# Allegro board LED_FIN.brd (continued)
## Placement (name value [footprint] x y rotation side) (continued)
D4585  0603_LED  [0603_SINGLE]  85.25 316 0 top
D4586  0603_LED  [0603_SINGLE]  87.25 316 0 top
D4587  0603_LED  [0603_SINGLE]  89.25 316 0 top
D4588  0603_LED  [0603_SINGLE]  91.25 316 0 top
D4589  0603_LED  [0603_SINGLE]  93.25 316 0 top
D4590  0603_LED  [0603_SINGLE]  95.25 316 0 top
D4591  0603_LED  [0603_SINGLE]  37.25 314 0 top
D4592  0603_LED  [0603_SINGLE]  39.25 314 0 top
D4593  0603_LED  [0603_SINGLE]  41.25 314 0 top
D4594  0603_LED  [0603_SINGLE]  43.25 314 0 top
D4595  0603_LED  [0603_SINGLE]  45.25 314 0 top
D4596  0603_LED  [0603_SINGLE]  47.25 314 0 top
D4597  0603_LED  [0603_SINGLE]  49.25 314 0 top
D4598  0603_LED  [0603_SINGLE]  51.25 314 0 top
D4599  0603_LED  [0603_SINGLE]  53.25 314 0 top
D4600  0603_LED  [0603_SINGLE]  55.25 314 0 top
D4601  0603_LED  [0603_SINGLE]  57.25 314 0 top
D4602  0603_LED  [0603_SINGLE]  59.25 314 0 top
D4603  0603_LED  [0603_SINGLE]  61.25 314 0 top
D4604  0603_LED  [0603_SINGLE]  63.25 314 0 top
D4605  0603_LED  [0603_SINGLE]  65.25 314 0 top
D4606  0603_LED  [0603_SINGLE]  67.25 314 0 top
D4607  0603_LED  [0603_SINGLE]  69.25 314 0 top
D4608  0603_LED  [0603_SINGLE]  71.25 314 0 top
D4609  0603_LED  [0603_SINGLE]  73.25 314 0 top
D4610  0603_LED  [0603_SINGLE]  75.25 314 0 top
D4611  0603_LED  [0603_SINGLE]  77.25 314 0 top
D4612  0603_LED  [0603_SINGLE]  79.25 314 0 top
D4613  0603_LED  [0603_SINGLE]  81.25 314 0 top
D4614  0603_LED  [0603_SINGLE]  83.25 314 0 top
D4615  0603_LED  [0603_SINGLE]  85.25 314 0 top
D4616  0603_LED  [0603_SINGLE]  87.25 314 0 top
D4617  0603_LED  [0603_SINGLE]  89.25 314 0 top
D4618  0603_LED  [0603_SINGLE]  91.25 314 0 top
D4619  0603_LED  [0603_SINGLE]  93.25 314 0 top
D4620  0603_LED  [0603_SINGLE]  95.25 314 0 top
D4621  0603_LED  [0603_SINGLE]  37.25 312 0 top
D4622  0603_LED  [0603_SINGLE]  39.25 312 0 top
D4623  0603_LED  [0603_SINGLE]  41.25 312 0 top
D4624  0603_LED  [0603_SINGLE]  43.25 312 0 top
D4625  0603_LED  [0603_SINGLE]  45.25 312 0 top
D4626  0603_LED  [0603_SINGLE]  47.25 312 0 top
D4627  0603_LED  [0603_SINGLE]  49.25 312 0 top
D4628  0603_LED  [0603_SINGLE]  51.25 312 0 top
D4629  0603_LED  [0603_SINGLE]  53.25 312 0 top
D4630  0603_LED  [0603_SINGLE]  55.25 312 0 top
D4631  0603_LED  [0603_SINGLE]  57.25 312 0 top
D4632  0603_LED  [0603_SINGLE]  59.25 312 0 top
D4633  0603_LED  [0603_SINGLE]  61.25 312 0 top
D4634  0603_LED  [0603_SINGLE]  63.25 312 0 top
D4635  0603_LED  [0603_SINGLE]  65.25 312 0 top
D4636  0603_LED  [0603_SINGLE]  67.25 312 0 top
D4637  0603_LED  [0603_SINGLE]  69.25 312 0 top
D4638  0603_LED  [0603_SINGLE]  71.25 312 0 top
D4639  0603_LED  [0603_SINGLE]  73.25 312 0 top
D4640  0603_LED  [0603_SINGLE]  75.25 312 0 top
D4641  0603_LED  [0603_SINGLE]  77.25 312 0 top
D4642  0603_LED  [0603_SINGLE]  79.25 312 0 top
D4643  0603_LED  [0603_SINGLE]  81.25 312 0 top
D4644  0603_LED  [0603_SINGLE]  83.25 312 0 top
D4645  0603_LED  [0603_SINGLE]  85.25 312 0 top
D4646  0603_LED  [0603_SINGLE]  87.25 312 0 top
D4647  0603_LED  [0603_SINGLE]  89.25 312 0 top
D4648  0603_LED  [0603_SINGLE]  91.25 312 0 top
D4649  0603_LED  [0603_SINGLE]  93.25 312 0 top
D4650  0603_LED  [0603_SINGLE]  95.25 312 0 top
D4651  0603_LED  [0603_SINGLE]  37.25 310 0 top
D4652  0603_LED  [0603_SINGLE]  39.25 310 0 top
D4653  0603_LED  [0603_SINGLE]  41.25 310 0 top
D4654  0603_LED  [0603_SINGLE]  43.25 310 0 top
D4655  0603_LED  [0603_SINGLE]  45.25 310 0 top
D4656  0603_LED  [0603_SINGLE]  47.25 310 0 top
D4657  0603_LED  [0603_SINGLE]  49.25 310 0 top
D4658  0603_LED  [0603_SINGLE]  51.25 310 0 top
D4659  0603_LED  [0603_SINGLE]  53.25 310 0 top
D4660  0603_LED  [0603_SINGLE]  55.25 310 0 top
D4661  0603_LED  [0603_SINGLE]  57.25 310 0 top
D4662  0603_LED  [0603_SINGLE]  59.25 310 0 top
D4663  0603_LED  [0603_SINGLE]  61.25 310 0 top
D4664  0603_LED  [0603_SINGLE]  63.25 310 0 top
D4665  0603_LED  [0603_SINGLE]  65.25 310 0 top
D4666  0603_LED  [0603_SINGLE]  67.25 310 0 top
D4667  0603_LED  [0603_SINGLE]  69.25 310 0 top
D4668  0603_LED  [0603_SINGLE]  71.25 310 0 top
D4669  0603_LED  [0603_SINGLE]  73.25 310 0 top
D4670  0603_LED  [0603_SINGLE]  75.25 310 0 top
D4671  0603_LED  [0603_SINGLE]  77.25 310 0 top
D4672  0603_LED  [0603_SINGLE]  79.25 310 0 top
D4673  0603_LED  [0603_SINGLE]  81.25 310 0 top
D4674  0603_LED  [0603_SINGLE]  83.25 310 0 top
D4675  0603_LED  [0603_SINGLE]  85.25 310 0 top
D4676  0603_LED  [0603_SINGLE]  87.25 310 0 top
D4677  0603_LED  [0603_SINGLE]  89.25 310 0 top
D4678  0603_LED  [0603_SINGLE]  91.25 310 0 top
D4679  0603_LED  [0603_SINGLE]  93.25 310 0 top
D4680  0603_LED  [0603_SINGLE]  95.25 310 0 top
D4681  0603_LED  [0603_SINGLE]  37.25 308 0 top
D4682  0603_LED  [0603_SINGLE]  39.25 308 0 top
D4683  0603_LED  [0603_SINGLE]  41.25 308 0 top
D4684  0603_LED  [0603_SINGLE]  43.25 308 0 top
D4685  0603_LED  [0603_SINGLE]  45.25 308 0 top
D4686  0603_LED  [0603_SINGLE]  47.25 308 0 top
D4687  0603_LED  [0603_SINGLE]  49.25 308 0 top
D4688  0603_LED  [0603_SINGLE]  51.25 308 0 top
D4689  0603_LED  [0603_SINGLE]  53.25 308 0 top
D4690  0603_LED  [0603_SINGLE]  55.25 308 0 top
D4691  0603_LED  [0603_SINGLE]  57.25 308 0 top
D4692  0603_LED  [0603_SINGLE]  59.25 308 0 top
D4693  0603_LED  [0603_SINGLE]  61.25 308 0 top
D4694  0603_LED  [0603_SINGLE]  63.25 308 0 top
D4695  0603_LED  [0603_SINGLE]  65.25 308 0 top
D4696  0603_LED  [0603_SINGLE]  67.25 308 0 top
D4697  0603_LED  [0603_SINGLE]  69.25 308 0 top
D4698  0603_LED  [0603_SINGLE]  71.25 308 0 top
D4699  0603_LED  [0603_SINGLE]  73.25 308 0 top
D4700  0603_LED  [0603_SINGLE]  75.25 308 0 top
D4701  0603_LED  [0603_SINGLE]  77.25 308 0 top
D4702  0603_LED  [0603_SINGLE]  79.25 308 0 top
D4703  0603_LED  [0603_SINGLE]  81.25 308 0 top
D4704  0603_LED  [0603_SINGLE]  83.25 308 0 top
D4705  0603_LED  [0603_SINGLE]  85.25 308 0 top
D4706  0603_LED  [0603_SINGLE]  87.25 308 0 top
D4707  0603_LED  [0603_SINGLE]  89.25 308 0 top
D4708  0603_LED  [0603_SINGLE]  91.25 308 0 top
D4709  0603_LED  [0603_SINGLE]  93.25 308 0 top
D4710  0603_LED  [0603_SINGLE]  95.25 308 0 top
D4711  0603_LED  [0603_SINGLE]  37.25 306 0 top
D4712  0603_LED  [0603_SINGLE]  39.25 306 0 top
D4713  0603_LED  [0603_SINGLE]  41.25 306 0 top
D4714  0603_LED  [0603_SINGLE]  43.25 306 0 top
D4715  0603_LED  [0603_SINGLE]  45.25 306 0 top
D4716  0603_LED  [0603_SINGLE]  47.25 306 0 top
D4717  0603_LED  [0603_SINGLE]  49.25 306 0 top
D4718  0603_LED  [0603_SINGLE]  51.25 306 0 top
D4719  0603_LED  [0603_SINGLE]  53.25 306 0 top
D4720  0603_LED  [0603_SINGLE]  55.25 306 0 top
D4721  0603_LED  [0603_SINGLE]  57.25 306 0 top
D4722  0603_LED  [0603_SINGLE]  59.25 306 0 top
D4723  0603_LED  [0603_SINGLE]  61.25 306 0 top
D4724  0603_LED  [0603_SINGLE]  63.25 306 0 top
D4725  0603_LED  [0603_SINGLE]  65.25 306 0 top
D4726  0603_LED  [0603_SINGLE]  67.25 306 0 top
D4727  0603_LED  [0603_SINGLE]  69.25 306 0 top
D4728  0603_LED  [0603_SINGLE]  71.25 306 0 top
D4729  0603_LED  [0603_SINGLE]  73.25 306 0 top
D4730  0603_LED  [0603_SINGLE]  75.25 306 0 top
D4731  0603_LED  [0603_SINGLE]  77.25 306 0 top
D4732  0603_LED  [0603_SINGLE]  79.25 306 0 top
D4733  0603_LED  [0603_SINGLE]  81.25 306 0 top
D4734  0603_LED  [0603_SINGLE]  83.25 306 0 top
D4735  0603_LED  [0603_SINGLE]  85.25 306 0 top
D4736  0603_LED  [0603_SINGLE]  87.25 306 0 top
D4737  0603_LED  [0603_SINGLE]  89.25 306 0 top
D4738  0603_LED  [0603_SINGLE]  91.25 306 0 top
D4739  0603_LED  [0603_SINGLE]  93.25 306 0 top
D4740  0603_LED  [0603_SINGLE]  95.25 306 0 top
D4741  0603_LED  [0603_SINGLE]  37.25 304 0 top
D4742  0603_LED  [0603_SINGLE]  39.25 304 0 top
D4743  0603_LED  [0603_SINGLE]  41.25 304 0 top
D4744  0603_LED  [0603_SINGLE]  43.25 304 0 top
D4745  0603_LED  [0603_SINGLE]  45.25 304 0 top
D4746  0603_LED  [0603_SINGLE]  47.25 304 0 top
D4747  0603_LED  [0603_SINGLE]  49.25 304 0 top
D4748  0603_LED  [0603_SINGLE]  51.25 304 0 top
D4749  0603_LED  [0603_SINGLE]  53.25 304 0 top
D4750  0603_LED  [0603_SINGLE]  55.25 304 0 top
D4751  0603_LED  [0603_SINGLE]  57.25 304 0 top
D4752  0603_LED  [0603_SINGLE]  59.25 304 0 top
D4753  0603_LED  [0603_SINGLE]  61.25 304 0 top
D4754  0603_LED  [0603_SINGLE]  63.25 304 0 top
D4755  0603_LED  [0603_SINGLE]  65.25 304 0 top
D4756  0603_LED  [0603_SINGLE]  67.25 304 0 top
D4757  0603_LED  [0603_SINGLE]  69.25 304 0 top
D4758  0603_LED  [0603_SINGLE]  71.25 304 0 top
D4759  0603_LED  [0603_SINGLE]  73.25 304 0 top
D4760  0603_LED  [0603_SINGLE]  75.25 304 0 top
D4761  0603_LED  [0603_SINGLE]  77.25 304 0 top
D4762  0603_LED  [0603_SINGLE]  79.25 304 0 top
D4763  0603_LED  [0603_SINGLE]  81.25 304 0 top
D4764  0603_LED  [0603_SINGLE]  83.25 304 0 top
D4765  0603_LED  [0603_SINGLE]  85.25 304 0 top
D4766  0603_LED  [0603_SINGLE]  87.25 304 0 top
D4767  0603_LED  [0603_SINGLE]  89.25 304 0 top
D4768  0603_LED  [0603_SINGLE]  91.25 304 0 top
D4769  0603_LED  [0603_SINGLE]  93.25 304 0 top
D4770  0603_LED  [0603_SINGLE]  95.25 304 0 top
D4771  0603_LED  [0603_SINGLE]  37.25 302 0 top
D4772  0603_LED  [0603_SINGLE]  39.25 302 0 top
D4773  0603_LED  [0603_SINGLE]  41.25 302 0 top
D4774  0603_LED  [0603_SINGLE]  43.25 302 0 top
D4775  0603_LED  [0603_SINGLE]  45.25 302 0 top
D4776  0603_LED  [0603_SINGLE]  47.25 302 0 top
D4777  0603_LED  [0603_SINGLE]  49.25 302 0 top
D4778  0603_LED  [0603_SINGLE]  51.25 302 0 top
D4779  0603_LED  [0603_SINGLE]  53.25 302 0 top
D4780  0603_LED  [0603_SINGLE]  55.25 302 0 top
D4781  0603_LED  [0603_SINGLE]  57.25 302 0 top
D4782  0603_LED  [0603_SINGLE]  59.25 302 0 top
D4783  0603_LED  [0603_SINGLE]  61.25 302 0 top
D4784  0603_LED  [0603_SINGLE]  63.25 302 0 top
D4785  0603_LED  [0603_SINGLE]  65.25 302 0 top
D4786  0603_LED  [0603_SINGLE]  67.25 302 0 top
D4787  0603_LED  [0603_SINGLE]  69.25 302 0 top
D4788  0603_LED  [0603_SINGLE]  71.25 302 0 top
D4789  0603_LED  [0603_SINGLE]  73.25 302 0 top
D4790  0603_LED  [0603_SINGLE]  75.25 302 0 top
D4791  0603_LED  [0603_SINGLE]  77.25 302 0 top
D4792  0603_LED  [0603_SINGLE]  79.25 302 0 top
D4793  0603_LED  [0603_SINGLE]  81.25 302 0 top
D4794  0603_LED  [0603_SINGLE]  83.25 302 0 top
D4795  0603_LED  [0603_SINGLE]  85.25 302 0 top
D4796  0603_LED  [0603_SINGLE]  87.25 302 0 top
D4797  0603_LED  [0603_SINGLE]  89.25 302 0 top
D4798  0603_LED  [0603_SINGLE]  91.25 302 0 top
D4799  0603_LED  [0603_SINGLE]  93.25 302 0 top
D4800  0603_LED  [0603_SINGLE]  95.25 302 0 top
D4801  0603_LED  [0603_SINGLE]  37.25 300 0 top
D4802  0603_LED  [0603_SINGLE]  39.25 300 0 top
D4803  0603_LED  [0603_SINGLE]  41.25 300 0 top
D4804  0603_LED  [0603_SINGLE]  43.25 300 0 top
D4805  0603_LED  [0603_SINGLE]  45.25 300 0 top
D4806  0603_LED  [0603_SINGLE]  47.25 300 0 top
D4807  0603_LED  [0603_SINGLE]  49.25 300 0 top
D4808  0603_LED  [0603_SINGLE]  51.25 300 0 top
D4809  0603_LED  [0603_SINGLE]  53.25 300 0 top
D4810  0603_LED  [0603_SINGLE]  55.25 300 0 top
D4811  0603_LED  [0603_SINGLE]  57.25 300 0 top
D4812  0603_LED  [0603_SINGLE]  59.25 300 0 top
D4813  0603_LED  [0603_SINGLE]  61.25 300 0 top
D4814  0603_LED  [0603_SINGLE]  63.25 300 0 top
D4815  0603_LED  [0603_SINGLE]  65.25 300 0 top
D4816  0603_LED  [0603_SINGLE]  67.25 300 0 top
D4817  0603_LED  [0603_SINGLE]  69.25 300 0 top
D4818  0603_LED  [0603_SINGLE]  71.25 300 0 top
D4819  0603_LED  [0603_SINGLE]  73.25 300 0 top
D4820  0603_LED  [0603_SINGLE]  75.25 300 0 top
D4821  0603_LED  [0603_SINGLE]  77.25 300 0 top
D4822  0603_LED  [0603_SINGLE]  79.25 300 0 top
D4823  0603_LED  [0603_SINGLE]  81.25 300 0 top
D4824  0603_LED  [0603_SINGLE]  83.25 300 0 top
D4825  0603_LED  [0603_SINGLE]  85.25 300 0 top
D4826  0603_LED  [0603_SINGLE]  87.25 300 0 top
D4827  0603_LED  [0603_SINGLE]  89.25 300 0 top
D4828  0603_LED  [0603_SINGLE]  91.25 300 0 top
D4829  0603_LED  [0603_SINGLE]  93.25 300 0 top
D4830  0603_LED  [0603_SINGLE]  95.25 300 0 top
D4831  0603_LED  [0603_SINGLE]  37.25 298 0 top
D4832  0603_LED  [0603_SINGLE]  39.25 298 0 top
D4833  0603_LED  [0603_SINGLE]  41.25 298 0 top
D4834  0603_LED  [0603_SINGLE]  43.25 298 0 top
D4835  0603_LED  [0603_SINGLE]  45.25 298 0 top
D4836  0603_LED  [0603_SINGLE]  47.25 298 0 top
D4837  0603_LED  [0603_SINGLE]  49.25 298 0 top
D4838  0603_LED  [0603_SINGLE]  51.25 298 0 top
D4839  0603_LED  [0603_SINGLE]  53.25 298 0 top
D4840  0603_LED  [0603_SINGLE]  55.25 298 0 top
D4841  0603_LED  [0603_SINGLE]  57.25 298 0 top
D4842  0603_LED  [0603_SINGLE]  59.25 298 0 top
D4843  0603_LED  [0603_SINGLE]  61.25 298 0 top
D4844  0603_LED  [0603_SINGLE]  63.25 298 0 top
D4845  0603_LED  [0603_SINGLE]  65.25 298 0 top
D4846  0603_LED  [0603_SINGLE]  67.25 298 0 top
D4847  0603_LED  [0603_SINGLE]  69.25 298 0 top
D4848  0603_LED  [0603_SINGLE]  71.25 298 0 top
D4849  0603_LED  [0603_SINGLE]  73.25 298 0 top
D4850  0603_LED  [0603_SINGLE]  75.25 298 0 top
D4851  0603_LED  [0603_SINGLE]  77.25 298 0 top
D4852  0603_LED  [0603_SINGLE]  79.25 298 0 top
D4853  0603_LED  [0603_SINGLE]  81.25 298 0 top
D4854  0603_LED  [0603_SINGLE]  83.25 298 0 top
D4855  0603_LED  [0603_SINGLE]  85.25 298 0 top
D4856  0603_LED  [0603_SINGLE]  87.25 298 0 top
D4857  0603_LED  [0603_SINGLE]  89.25 298 0 top
D4858  0603_LED  [0603_SINGLE]  91.25 298 0 top
D4859  0603_LED  [0603_SINGLE]  93.25 298 0 top
D4860  0603_LED  [0603_SINGLE]  95.25 298 0 top
D4861  0603_LED  [0603_SINGLE]  37.25 296 0 top
D4862  0603_LED  [0603_SINGLE]  39.25 296 0 top
D4863  0603_LED  [0603_SINGLE]  41.25 296 0 top
D4864  0603_LED  [0603_SINGLE]  43.25 296 0 top
D4865  0603_LED  [0603_SINGLE]  45.25 296 0 top
D4866  0603_LED  [0603_SINGLE]  47.25 296 0 top
D4867  0603_LED  [0603_SINGLE]  49.25 296 0 top
D4868  0603_LED  [0603_SINGLE]  51.25 296 0 top
D4869  0603_LED  [0603_SINGLE]  53.25 296 0 top
D4870  0603_LED  [0603_SINGLE]  55.25 296 0 top
D4871  0603_LED  [0603_SINGLE]  57.25 296 0 top
D4872  0603_LED  [0603_SINGLE]  59.25 296 0 top
D4873  0603_LED  [0603_SINGLE]  61.25 296 0 top
D4874  0603_LED  [0603_SINGLE]  63.25 296 0 top
D4875  0603_LED  [0603_SINGLE]  65.25 296 0 top
D4876  0603_LED  [0603_SINGLE]  67.25 296 0 top
D4877  0603_LED  [0603_SINGLE]  69.25 296 0 top
D4878  0603_LED  [0603_SINGLE]  71.25 296 0 top
D4879  0603_LED  [0603_SINGLE]  73.25 296 0 top
D4880  0603_LED  [0603_SINGLE]  75.25 296 0 top
D4881  0603_LED  [0603_SINGLE]  77.25 296 0 top
D4882  0603_LED  [0603_SINGLE]  79.25 296 0 top
D4883  0603_LED  [0603_SINGLE]  81.25 296 0 top
D4884  0603_LED  [0603_SINGLE]  83.25 296 0 top
D4885  0603_LED  [0603_SINGLE]  85.25 296 0 top
D4886  0603_LED  [0603_SINGLE]  87.25 296 0 top
D4887  0603_LED  [0603_SINGLE]  89.25 296 0 top
D4888  0603_LED  [0603_SINGLE]  91.25 296 0 top
D4889  0603_LED  [0603_SINGLE]  93.25 296 0 top
D4890  0603_LED  [0603_SINGLE]  95.25 296 0 top
D4891  0603_LED  [0603_SINGLE]  37.25 294 0 top
D4892  0603_LED  [0603_SINGLE]  39.25 294 0 top
D4893  0603_LED  [0603_SINGLE]  41.25 294 0 top
D4894  0603_LED  [0603_SINGLE]  43.25 294 0 top
D4895  0603_LED  [0603_SINGLE]  45.25 294 0 top
D4896  0603_LED  [0603_SINGLE]  47.25 294 0 top
D4897  0603_LED  [0603_SINGLE]  49.25 294 0 top
D4898  0603_LED  [0603_SINGLE]  51.25 294 0 top
D4899  0603_LED  [0603_SINGLE]  53.25 294 0 top
D4900  0603_LED  [0603_SINGLE]  55.25 294 0 top
D4901  0603_LED  [0603_SINGLE]  57.25 294 0 top
D4902  0603_LED  [0603_SINGLE]  59.25 294 0 top
D4903  0603_LED  [0603_SINGLE]  61.25 294 0 top
D4904  0603_LED  [0603_SINGLE]  63.25 294 0 top
D4905  0603_LED  [0603_SINGLE]  65.25 294 0 top
D4906  0603_LED  [0603_SINGLE]  67.25 294 0 top
D4907  0603_LED  [0603_SINGLE]  69.25 294 0 top
D4908  0603_LED  [0603_SINGLE]  71.25 294 0 top
D4909  0603_LED  [0603_SINGLE]  73.25 294 0 top
D4910  0603_LED  [0603_SINGLE]  75.25 294 0 top
D4911  0603_LED  [0603_SINGLE]  77.25 294 0 top
D4912  0603_LED  [0603_SINGLE]  79.25 294 0 top
D4913  0603_LED  [0603_SINGLE]  81.25 294 0 top
D4914  0603_LED  [0603_SINGLE]  83.25 294 0 top
D4915  0603_LED  [0603_SINGLE]  85.25 294 0 top
D4916  0603_LED  [0603_SINGLE]  87.25 294 0 top
D4917  0603_LED  [0603_SINGLE]  89.25 294 0 top
D4918  0603_LED  [0603_SINGLE]  91.25 294 0 top
D4919  0603_LED  [0603_SINGLE]  93.25 294 0 top
D4920  0603_LED  [0603_SINGLE]  95.25 294 0 top
D4921  0603_LED  [0603_SINGLE]  37.25 292 0 top
D4922  0603_LED  [0603_SINGLE]  39.25 292 0 top
D4923  0603_LED  [0603_SINGLE]  41.25 292 0 top
D4924  0603_LED  [0603_SINGLE]  43.25 292 0 top
D4925  0603_LED  [0603_SINGLE]  45.25 292 0 top
D4926  0603_LED  [0603_SINGLE]  47.25 292 0 top
D4927  0603_LED  [0603_SINGLE]  49.25 292 0 top
D4928  0603_LED  [0603_SINGLE]  51.25 292 0 top
D4929  0603_LED  [0603_SINGLE]  53.25 292 0 top
D4930  0603_LED  [0603_SINGLE]  55.25 292 0 top
D4931  0603_LED  [0603_SINGLE]  57.25 292 0 top
D4932  0603_LED  [0603_SINGLE]  59.25 292 0 top
D4933  0603_LED  [0603_SINGLE]  61.25 292 0 top
D4934  0603_LED  [0603_SINGLE]  63.25 292 0 top
D4935  0603_LED  [0603_SINGLE]  65.25 292 0 top
D4936  0603_LED  [0603_SINGLE]  67.25 292 0 top
D4937  0603_LED  [0603_SINGLE]  69.25 292 0 top
D4938  0603_LED  [0603_SINGLE]  71.25 292 0 top
D4939  0603_LED  [0603_SINGLE]  73.25 292 0 top
D4940  0603_LED  [0603_SINGLE]  75.25 292 0 top
D4941  0603_LED  [0603_SINGLE]  77.25 292 0 top
D4942  0603_LED  [0603_SINGLE]  79.25 292 0 top
D4943  0603_LED  [0603_SINGLE]  81.25 292 0 top
D4944  0603_LED  [0603_SINGLE]  83.25 292 0 top
D4945  0603_LED  [0603_SINGLE]  85.25 292 0 top
D4946  0603_LED  [0603_SINGLE]  87.25 292 0 top
D4947  0603_LED  [0603_SINGLE]  89.25 292 0 top
D4948  0603_LED  [0603_SINGLE]  91.25 292 0 top
D4949  0603_LED  [0603_SINGLE]  93.25 292 0 top
D4950  0603_LED  [0603_SINGLE]  95.25 292 0 top
D4951  0603_LED  [0603_SINGLE]  37.25 290 0 top
D4952  0603_LED  [0603_SINGLE]  39.25 290 0 top
D4953  0603_LED  [0603_SINGLE]  41.25 290 0 top
D4954  0603_LED  [0603_SINGLE]  43.25 290 0 top
D4955  0603_LED  [0603_SINGLE]  45.25 290 0 top
D4956  0603_LED  [0603_SINGLE]  47.25 290 0 top
D4957  0603_LED  [0603_SINGLE]  49.25 290 0 top
D4958  0603_LED  [0603_SINGLE]  51.25 290 0 top
D4959  0603_LED  [0603_SINGLE]  53.25 290 0 top
D4960  0603_LED  [0603_SINGLE]  55.25 290 0 top
D4961  0603_LED  [0603_SINGLE]  57.25 290 0 top
D4962  0603_LED  [0603_SINGLE]  59.25 290 0 top
D4963  0603_LED  [0603_SINGLE]  61.25 290 0 top
D4964  0603_LED  [0603_SINGLE]  63.25 290 0 top
D4965  0603_LED  [0603_SINGLE]  65.25 290 0 top
D4966  0603_LED  [0603_SINGLE]  67.25 290 0 top
D4967  0603_LED  [0603_SINGLE]  69.25 290 0 top
D4968  0603_LED  [0603_SINGLE]  71.25 290 0 top
D4969  0603_LED  [0603_SINGLE]  73.25 290 0 top
D4970  0603_LED  [0603_SINGLE]  75.25 290 0 top
D4971  0603_LED  [0603_SINGLE]  77.25 290 0 top
D4972  0603_LED  [0603_SINGLE]  79.25 290 0 top
D4973  0603_LED  [0603_SINGLE]  81.25 290 0 top
D4974  0603_LED  [0603_SINGLE]  83.25 290 0 top
D4975  0603_LED  [0603_SINGLE]  85.25 290 0 top
D4976  0603_LED  [0603_SINGLE]  87.25 290 0 top
D4977  0603_LED  [0603_SINGLE]  89.25 290 0 top
D4978  0603_LED  [0603_SINGLE]  91.25 290 0 top
D4979  0603_LED  [0603_SINGLE]  93.25 290 0 top
D4980  0603_LED  [0603_SINGLE]  95.25 290 0 top
D4981  0603_LED  [0603_SINGLE]  37.25 288 0 top
D4982  0603_LED  [0603_SINGLE]  39.25 288 0 top
D4983  0603_LED  [0603_SINGLE]  41.25 288 0 top
D4984  0603_LED  [0603_SINGLE]  43.25 288 0 top
D4985  0603_LED  [0603_SINGLE]  45.25 288 0 top
D4986  0603_LED  [0603_SINGLE]  47.25 288 0 top
D4987  0603_LED  [0603_SINGLE]  49.25 288 0 top
D4988  0603_LED  [0603_SINGLE]  51.25 288 0 top
D4989  0603_LED  [0603_SINGLE]  53.25 288 0 top
D4990  0603_LED  [0603_SINGLE]  55.25 288 0 top
D4991  0603_LED  [0603_SINGLE]  57.25 288 0 top
D4992  0603_LED  [0603_SINGLE]  59.25 288 0 top
D4993  0603_LED  [0603_SINGLE]  61.25 288 0 top
D4994  0603_LED  [0603_SINGLE]  63.25 288 0 top
D4995  0603_LED  [0603_SINGLE]  65.25 288 0 top
D4996  0603_LED  [0603_SINGLE]  67.25 288 0 top
D4997  0603_LED  [0603_SINGLE]  69.25 288 0 top
D4998  0603_LED  [0603_SINGLE]  71.25 288 0 top
D4999  0603_LED  [0603_SINGLE]  73.25 288 0 top
D5000  0603_LED  [0603_SINGLE]  75.25 288 0 top
D5001  0603_LED  [0603_SINGLE]  77.25 288 0 top
D5002  0603_LED  [0603_SINGLE]  79.25 288 0 top
D5003  0603_LED  [0603_SINGLE]  81.25 288 0 top
D5004  0603_LED  [0603_SINGLE]  83.25 288 0 top
D5005  0603_LED  [0603_SINGLE]  85.25 288 0 top
D5006  0603_LED  [0603_SINGLE]  87.25 288 0 top
D5007  0603_LED  [0603_SINGLE]  89.25 288 0 top
D5008  0603_LED  [0603_SINGLE]  91.25 288 0 top
D5009  0603_LED  [0603_SINGLE]  93.25 288 0 top
D5010  0603_LED  [0603_SINGLE]  95.25 288 0 top
D5011  0603_LED  [0603_SINGLE]  37.25 286 0 top
D5012  0603_LED  [0603_SINGLE]  39.25 286 0 top
D5013  0603_LED  [0603_SINGLE]  41.25 286 0 top
D5014  0603_LED  [0603_SINGLE]  43.25 286 0 top
D5015  0603_LED  [0603_SINGLE]  45.25 286 0 top
D5016  0603_LED  [0603_SINGLE]  47.25 286 0 top
D5017  0603_LED  [0603_SINGLE]  49.25 286 0 top
D5018  0603_LED  [0603_SINGLE]  51.25 286 0 top
D5019  0603_LED  [0603_SINGLE]  53.25 286 0 top
D5020  0603_LED  [0603_SINGLE]  55.25 286 0 top
D5021  0603_LED  [0603_SINGLE]  57.25 286 0 top
D5022  0603_LED  [0603_SINGLE]  59.25 286 0 top
D5023  0603_LED  [0603_SINGLE]  61.25 286 0 top
D5024  0603_LED  [0603_SINGLE]  63.25 286 0 top
D5025  0603_LED  [0603_SINGLE]  65.25 286 0 top
D5026  0603_LED  [0603_SINGLE]  67.25 286 0 top
D5027  0603_LED  [0603_SINGLE]  69.25 286 0 top
D5028  0603_LED  [0603_SINGLE]  71.25 286 0 top
D5029  0603_LED  [0603_SINGLE]  73.25 286 0 top
D5030  0603_LED  [0603_SINGLE]  75.25 286 0 top
D5031  0603_LED  [0603_SINGLE]  77.25 286 0 top
D5032  0603_LED  [0603_SINGLE]  79.25 286 0 top
D5033  0603_LED  [0603_SINGLE]  81.25 286 0 top
D5034  0603_LED  [0603_SINGLE]  83.25 286 0 top
D5035  0603_LED  [0603_SINGLE]  85.25 286 0 top
D5036  0603_LED  [0603_SINGLE]  87.25 286 0 top
D5037  0603_LED  [0603_SINGLE]  89.25 286 0 top
D5038  0603_LED  [0603_SINGLE]  91.25 286 0 top
D5039  0603_LED  [0603_SINGLE]  93.25 286 0 top
D5040  0603_LED  [0603_SINGLE]  95.25 286 0 top
D5041  0603_LED  [0603_SINGLE]  37.25 284 0 top
D5042  0603_LED  [0603_SINGLE]  39.25 284 0 top
D5043  0603_LED  [0603_SINGLE]  41.25 284 0 top
D5044  0603_LED  [0603_SINGLE]  43.25 284 0 top
D5045  0603_LED  [0603_SINGLE]  45.25 284 0 top
D5046  0603_LED  [0603_SINGLE]  47.25 284 0 top
D5047  0603_LED  [0603_SINGLE]  49.25 284 0 top
D5048  0603_LED  [0603_SINGLE]  51.25 284 0 top
D5049  0603_LED  [0603_SINGLE]  53.25 284 0 top
D5050  0603_LED  [0603_SINGLE]  55.25 284 0 top
D5051  0603_LED  [0603_SINGLE]  57.25 284 0 top
D5052  0603_LED  [0603_SINGLE]  59.25 284 0 top
D5053  0603_LED  [0603_SINGLE]  61.25 284 0 top
D5054  0603_LED  [0603_SINGLE]  63.25 284 0 top
D5055  0603_LED  [0603_SINGLE]  65.25 284 0 top
D5056  0603_LED  [0603_SINGLE]  67.25 284 0 top
D5057  0603_LED  [0603_SINGLE]  69.25 284 0 top
D5058  0603_LED  [0603_SINGLE]  71.25 284 0 top
D5059  0603_LED  [0603_SINGLE]  73.25 284 0 top
D5060  0603_LED  [0603_SINGLE]  75.25 284 0 top
D5061  0603_LED  [0603_SINGLE]  77.25 284 0 top
D5062  0603_LED  [0603_SINGLE]  79.25 284 0 top
D5063  0603_LED  [0603_SINGLE]  81.25 284 0 top
D5064  0603_LED  [0603_SINGLE]  83.25 284 0 top
D5065  0603_LED  [0603_SINGLE]  85.25 284 0 top
D5066  0603_LED  [0603_SINGLE]  87.25 284 0 top
D5067  0603_LED  [0603_SINGLE]  89.25 284 0 top
D5068  0603_LED  [0603_SINGLE]  91.25 284 0 top
D5069  0603_LED  [0603_SINGLE]  93.25 284 0 top
D5070  0603_LED  [0603_SINGLE]  95.25 284 0 top
D5071  0603_LED  [0603_SINGLE]  37.25 282 0 top
D5072  0603_LED  [0603_SINGLE]  39.25 282 0 top
D5073  0603_LED  [0603_SINGLE]  41.25 282 0 top
D5074  0603_LED  [0603_SINGLE]  43.25 282 0 top
D5075  0603_LED  [0603_SINGLE]  45.25 282 0 top
D5076  0603_LED  [0603_SINGLE]  47.25 282 0 top
D5077  0603_LED  [0603_SINGLE]  49.25 282 0 top
D5078  0603_LED  [0603_SINGLE]  51.25 282 0 top
D5079  0603_LED  [0603_SINGLE]  53.25 282 0 top
D5080  0603_LED  [0603_SINGLE]  55.25 282 0 top
D5081  0603_LED  [0603_SINGLE]  57.25 282 0 top
D5082  0603_LED  [0603_SINGLE]  59.25 282 0 top
D5083  0603_LED  [0603_SINGLE]  61.25 282 0 top
D5084  0603_LED  [0603_SINGLE]  63.25 282 0 top
D5085  0603_LED  [0603_SINGLE]  65.25 282 0 top
D5086  0603_LED  [0603_SINGLE]  67.25 282 0 top
D5087  0603_LED  [0603_SINGLE]  69.25 282 0 top
D5088  0603_LED  [0603_SINGLE]  71.25 282 0 top
D5089  0603_LED  [0603_SINGLE]  73.25 282 0 top
D5090  0603_LED  [0603_SINGLE]  75.25 282 0 top
D5091  0603_LED  [0603_SINGLE]  77.25 282 0 top
D5092  0603_LED  [0603_SINGLE]  79.25 282 0 top
D5093  0603_LED  [0603_SINGLE]  81.25 282 0 top
D5094  0603_LED  [0603_SINGLE]  83.25 282 0 top
D5095  0603_LED  [0603_SINGLE]  85.25 282 0 top
D5096  0603_LED  [0603_SINGLE]  87.25 282 0 top
D5097  0603_LED  [0603_SINGLE]  89.25 282 0 top
D5098  0603_LED  [0603_SINGLE]  91.25 282 0 top
D5099  0603_LED  [0603_SINGLE]  93.25 282 0 top
D5100  0603_LED  [0603_SINGLE]  95.25 282 0 top
D5101  0603_LED  [0603_SINGLE]  37.25 280 0 top
D5102  0603_LED  [0603_SINGLE]  39.25 280 0 top
D5103  0603_LED  [0603_SINGLE]  41.25 280 0 top
D5104  0603_LED  [0603_SINGLE]  43.25 280 0 top
